# Altium PCB FluidGuard(RX).PcbDoc (part 1 of 3)
Units mm, origin at the board's own origin, x right, y up, seen from the top; angles counter-clockwise.
Board outline 125 x 150 mm, 4 copper layers (Top Layer, Mid Layer 1(GND), Mid Layer 2(GND), Bottom Layer), stack 1.586 mm thick; 143 components, 112 nets, 606 pads, 682 vias.
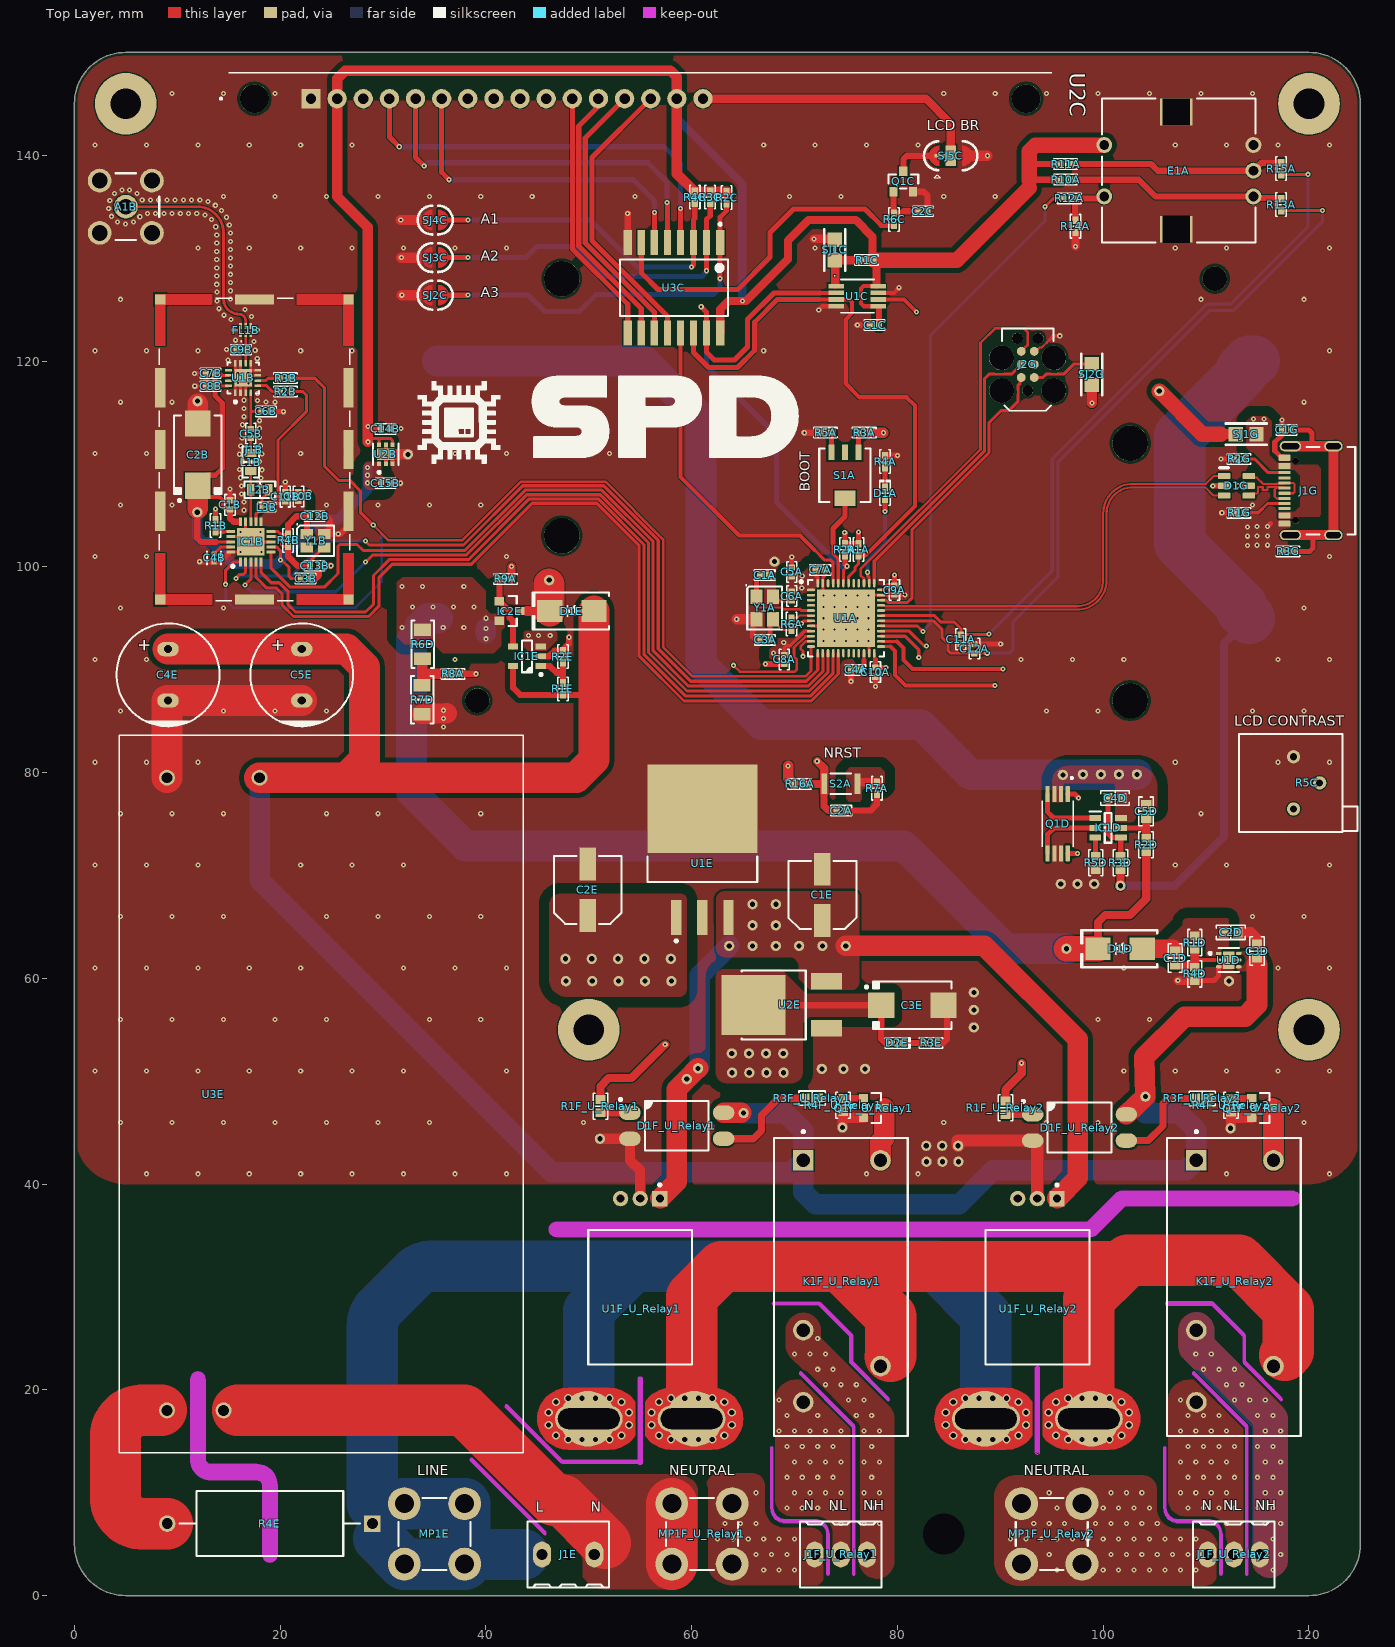
[diagram p0: Top Layer view]
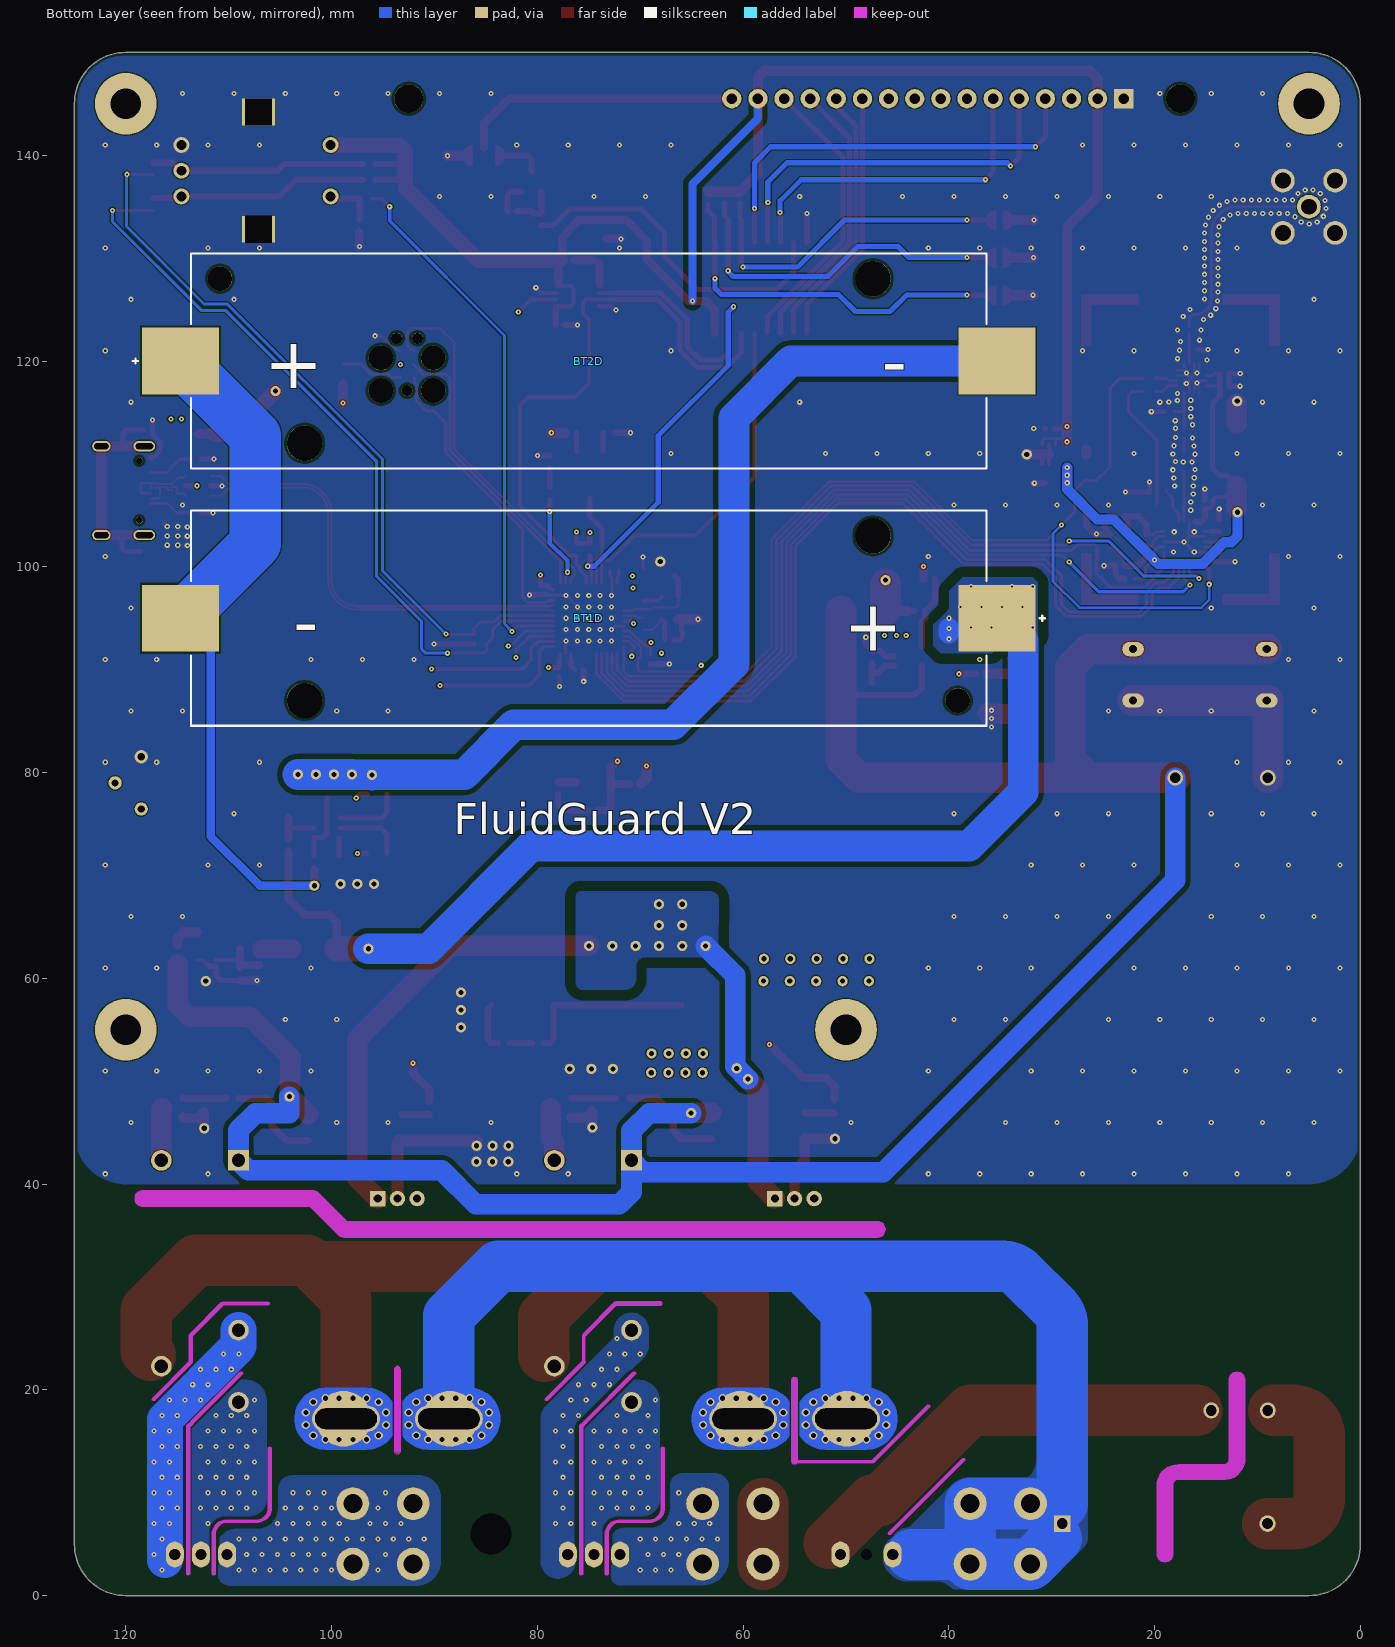
[diagram p1: Bottom Layer view, seen from below]
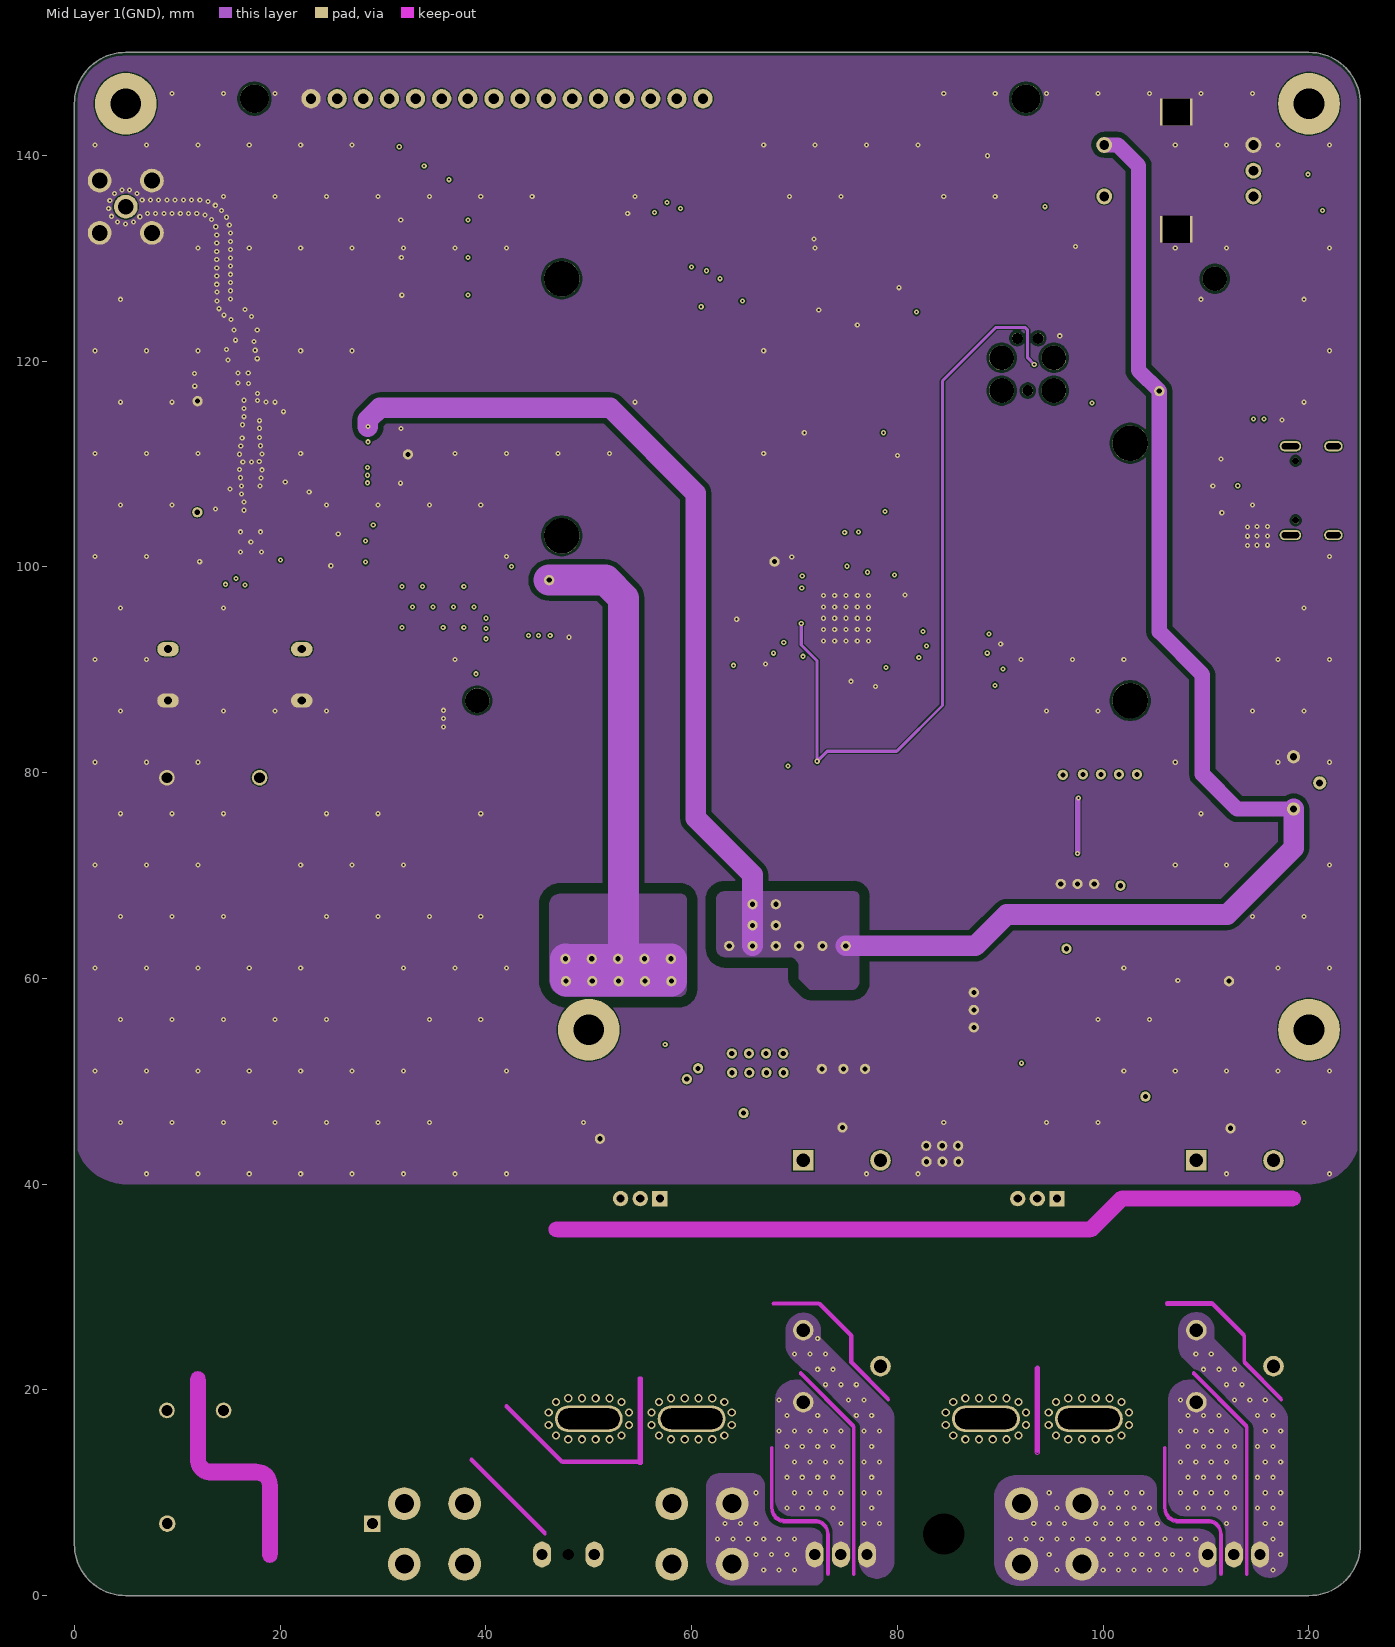
[diagram p2: Mid Layer 1(GND)]
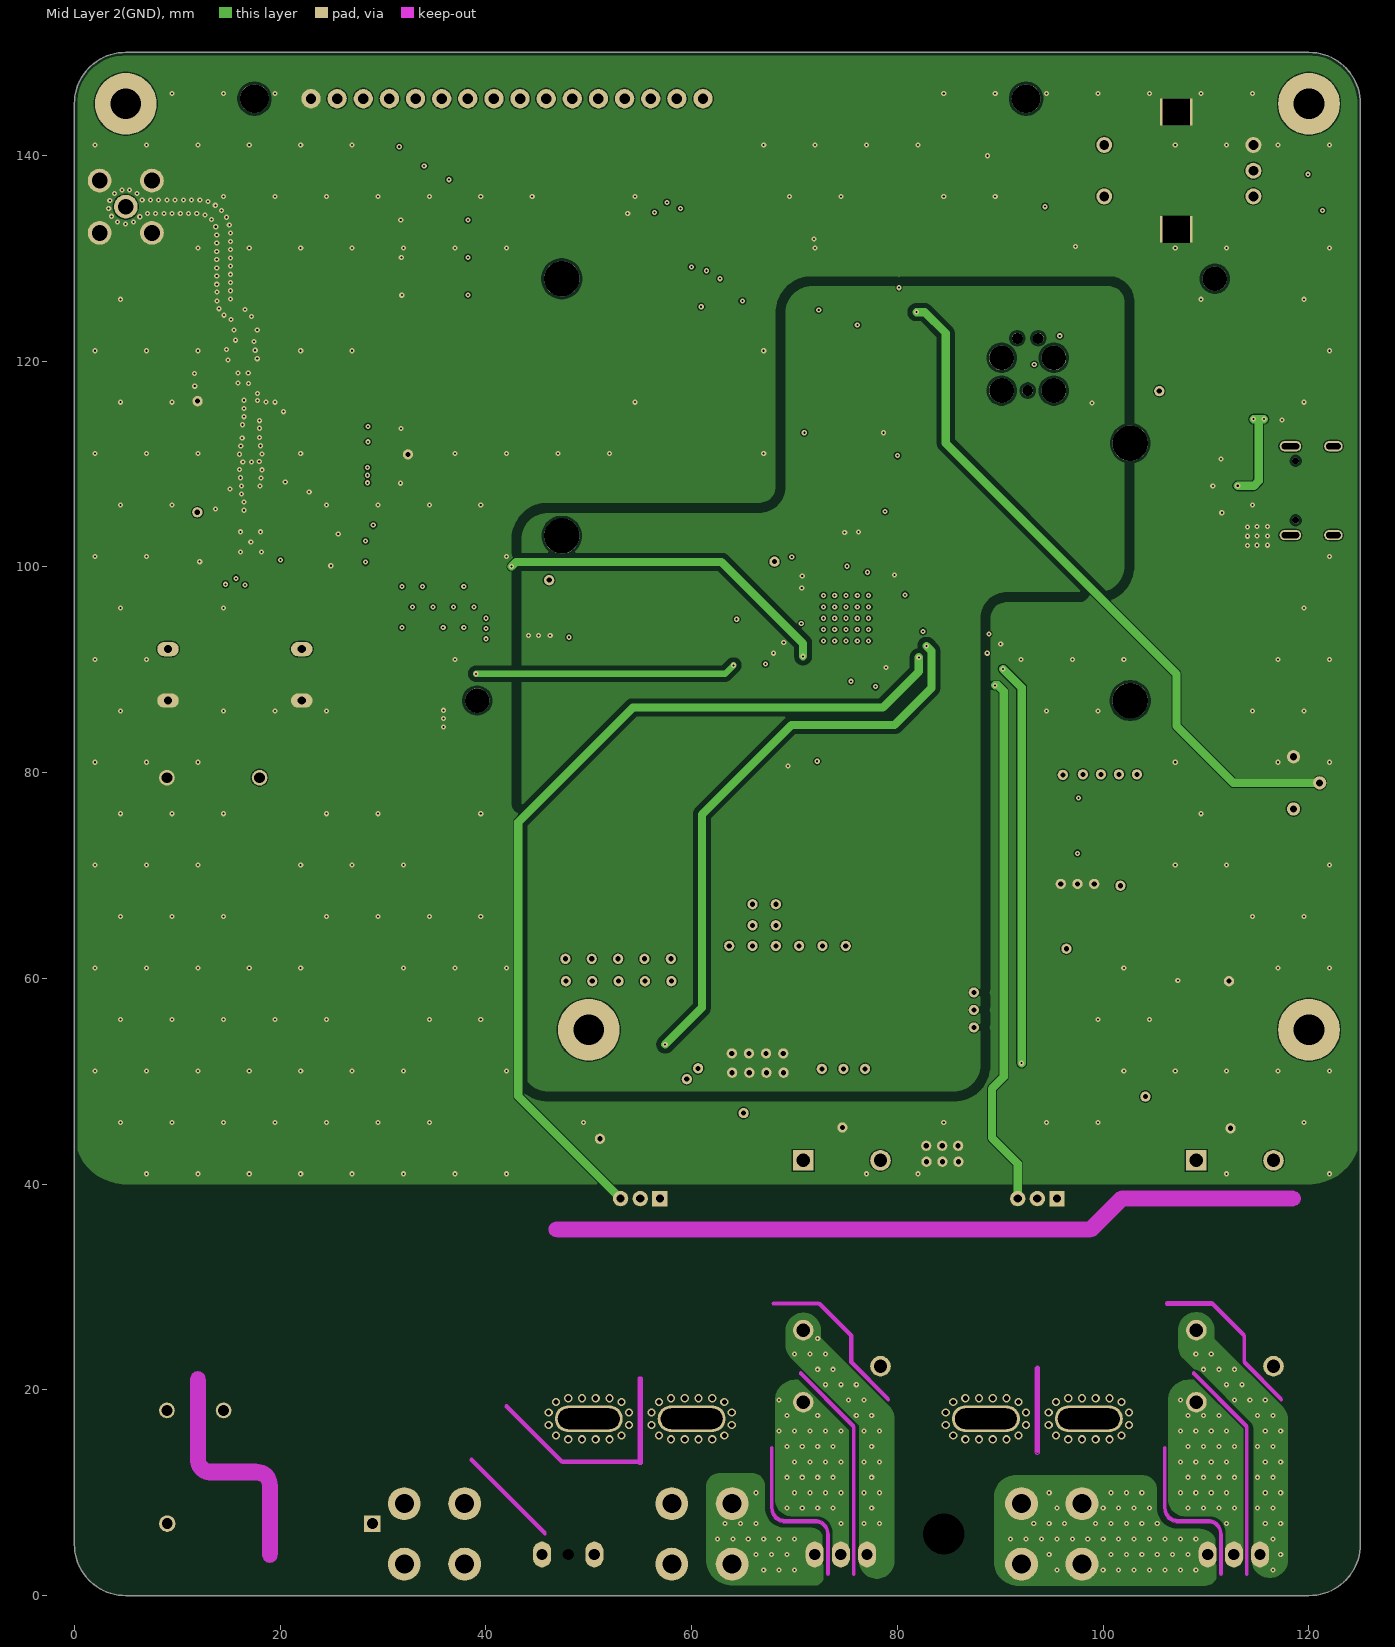
[diagram p3: Mid Layer 2(GND)]
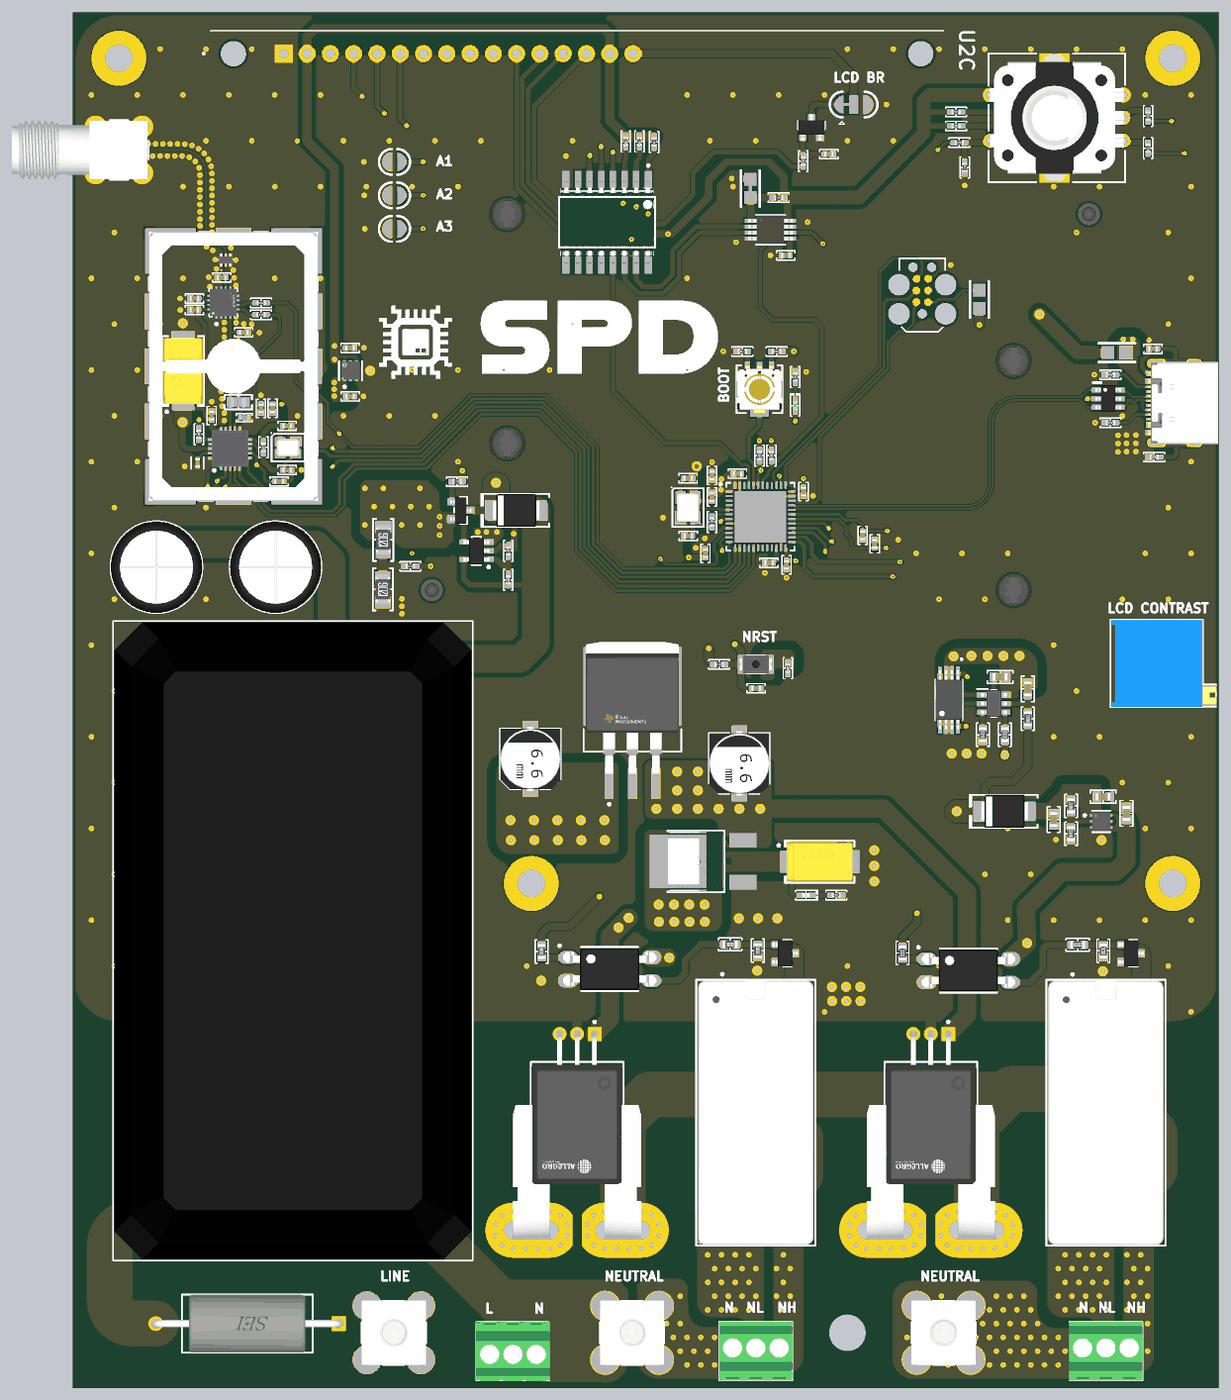
[diagram p6: 3D render of the assembled board from above, using the file's embedded part models]

## Layer stack, top to bottom
Top Solder: solder mask 0.0127, Solder Resist, Dk 3.8
Top Layer: signal copper 0.035
Dielectric 1: prepreg 0.2104, PP-023, Dk 4.4
Mid Layer 1(GND): signal copper 0.0152
Core: core 1.065, FR-4, Dk 4.6
Mid Layer 2(GND): signal copper 0.0152
Dielectric 2: prepreg 0.2104, PP-023, Dk 4.4
Bottom Layer: signal copper 0.035
Bottom Solder: solder mask 0.0127, Solder Resist, Dk 3.8

## Board outline
0,5 0,145 cw(c5,145) 5,150 120,150 cw(c120,145) 125,145 125,5 cw(c120,5) 120,0 5,0 cw(c5,5)
cut-out: 105.85,8.51 ccw(c107.27,8.51) 107.27,7.089 110.18,7.089 cw(c110.18,5.97) 111.3,5.97 111.3,2.15 ccw(c111.45,2.15) 111.6,2.15 111.6,5.97 ccw(c110.18,5.97) 110.18,7.39 107.27,7.39 cw(c107.27,8.51) 106.15,8.51 106.15,14.3 ccw(c106,14.3) 105.85,14.3
cut-out: 67.65,8.51 ccw(c69.07,8.51) 69.07,7.089 71.98,7.089 cw(c71.98,5.97) 73.1,5.97 73.1,2.15 ccw(c73.25,2.15) 73.4,2.15 73.4,5.97 ccw(c71.98,5.97) 71.98,7.39 69.07,7.39 cw(c69.07,8.51) 67.95,8.51 67.95,14.3 ccw(c67.8,14.3) 67.65,14.3
cut-out: 41.894,18.294 47.294,12.894 47.4,12.85 55,12.85 ccw(c55,13) 55.15,13 ccw(c55,13) 55,13.15 47.462,13.15 42.106,18.506 ccw(c42,18.4)
cut-out: 38.494,13.094 45.629,5.958 ccw(c45.736,6.064) 45.886,6.064 45.842,6.171 38.706,13.306 ccw(c38.6,13.2)
cut-out: 108.694,21.494 113.437,16.746 113.461,16.727 113.8,16.388 113.8,2.15 ccw(c113.95,2.15) 114.1,2.15 114.1,16.45 114.056,16.556 113.654,16.958 113.631,16.978 108.906,21.706 ccw(c108.8,21.6)
cut-out: 110.538,28.239 113.55,25.227 113.55,22.7 113.594,22.593 117.194,18.994 ccw(c117.3,19.1) 117.45,19.1 117.406,19.206 113.85,22.762 113.85,25.29 113.806,25.396 110.706,28.496 110.6,28.54 106.2,28.54 ccw(c106.2,28.39) 106.2,28.239
cut-out: 75.6,2.15 ccw(c75.75,2.15) 75.9,2.15 75.9,6.99 ccw(c75.75,6.99) 75.6,6.99
cut-out: 75.242,16.746 75.6,16.388 75.6,6.99 ccw(c75.75,6.99) 75.9,6.99 75.9,16.45 75.856,16.556 75.454,16.958 ccw(c75.348,16.852)
cut-out: 75.394,22.594 78.994,18.994 ccw(c79.1,19.1) 79.25,19.1 79.206,19.206 75.606,22.806 ccw(c75.5,22.7)
cut-out: 70.494,21.494 75.237,16.746 ccw(c75.344,16.852) 75.494,16.852 75.45,16.958 70.706,21.706 ccw(c70.6,21.6)
cut-out: 68,28.239 cw(c68,28.39) 68,28.54 72.4,28.54 72.506,28.496 75.606,25.396 75.65,25.29 75.65,22.74 cw(c75.5,22.74) 75.35,22.74 75.35,25.227 72.338,28.239
cut-out: 46.9,34.85 cw(c46.9,35.6) 46.9,36.35 98.489,36.35 101.27,39.131 101.269,39.131 cw(c101.8,38.6) 101.8,39.35 118.4,39.35 cw(c118.4,38.6) 119.15,38.6 cw(c118.4,38.6) 118.4,37.85 102.111,37.85 99.33,35.069 99.331,35.069 cw(c98.8,35.6) 98.8,34.85
cut-out: 93.35,14 ccw(c93.6,14) 93.85,14 93.85,22 ccw(c93.6,22) 93.35,22
cut-out: 54.75,13 ccw(c55,13) 55.251,13 55.251,21 ccw(c55,21) 54.75,21
cut-out: 11.25,13.27 ccw(c13.27,13.27) 13.27,11.25 17.73,11.25 cw(c17.73,10.73) 18.25,10.73 18.25,4 ccw(c19,4) 19.75,4 19.75,10.73 ccw(c17.73,10.73) 17.73,12.75 13.27,12.75 cw(c13.27,13.27) 12.75,13.27 12.75,21 ccw(c12,21) 11.25,21

## Design rules (kind name [scope] priority, off if disabled: settings)
BoardOutlineClearance AC [InNetClass('AC')] p1: gap=0.1 ignorepadtopadclearanceinfootprint=FALSE
BoardOutlineClearance "TOP OVERLAY" [OnLayer('Top Overlay')] p2: gap=0 ignorepadtopadclearanceinfootprint=FALSE
BoardOutlineClearance [All] p3: gap=0.3 ignorepadtopadclearanceinfootprint=FALSE
Clearance IMP [InNetClass('IMP') vs InNetClass('IMP-G')] p1: gap=0.102 ignorepadtopadclearanceinfootprint=TRUE except(0.127: Arc-Via Track-Poly SMDPad-SMDPad SMDPad-THPad SMDPad-Via THPad-Via Via-Fill Via-Poly Via-Region Via-Text; 0.2: Track-SMDPad Track-THPad; 0.254: Arc-Hole Track-Via Track-Hole SMDPad-Hole THPad-THPad Via-Via Via-Hole Fill-Hole Poly-Hole Region-Hole Text-Hole; 0.5: THPad-Hole; 1: Poly-Poly)
Clearance PWR-TOP [InNet('+12V') vs OnLayer('Top Layer')] p2: gap=0.102 ignorepadtopadclearanceinfootprint=TRUE except(0.127: Arc-Via SMDPad-SMDPad SMDPad-THPad SMDPad-Via THPad-Via Via-Fill Via-Poly Via-Region Via-Text; 0.2: Track-SMDPad Track-THPad; 0.254: Arc-Hole Track-Via Track-Hole SMDPad-Hole THPad-THPad Via-Via Via-Hole Fill-Hole Poly-Poly Poly-Hole Region-Hole Text-Hole; 0.5: Track-Poly THPad-Hole)
Clearance PWR-TOP_1 [InNet('+5V') vs OnLayer('Top Layer')] p3: gap=0.102 ignorepadtopadclearanceinfootprint=TRUE except(0.127: Arc-Via SMDPad-SMDPad SMDPad-THPad SMDPad-Via THPad-Via Via-Fill Via-Poly Via-Region Via-Text; 0.2: Track-SMDPad Track-THPad; 0.254: Arc-Hole Track-Via Track-Hole SMDPad-Hole THPad-THPad Via-Via Via-Hole Fill-Hole Poly-Poly Poly-Hole Region-Hole Text-Hole; 0.5: Track-Poly THPad-Hole)
Clearance PWR-MID1 [OnLayer('Mid Layer 1(GND)') vs InNetClass('PWR')] p4: gap=0.102 ignorepadtopadclearanceinfootprint=TRUE except(0.127: Arc-Via SMDPad-SMDPad SMDPad-THPad SMDPad-Via THPad-Via Via-Fill Via-Poly Via-Region Via-Text; 0.2: Track-SMDPad Track-THPad; 0.254: Arc-Hole Track-Via Track-Hole SMDPad-Hole THPad-THPad Via-Via Via-Hole Fill-Hole Poly-Hole Region-Hole Text-Hole; 0.5: Track-Poly THPad-Hole; 1: Poly-Poly)
Clearance PWR-MID2 [OnLayer('Mid Layer 2(GND)') vs InNetClass('PWR')] p5: gap=0.102 ignorepadtopadclearanceinfootprint=TRUE except(0.127: Arc-Via SMDPad-SMDPad SMDPad-THPad SMDPad-Via THPad-Via Via-Fill Via-Poly Via-Region Via-Text; 0.2: Track-SMDPad Track-THPad; 0.254: Arc-Hole Track-Via Track-Hole SMDPad-Hole THPad-THPad Via-Via Via-Hole Fill-Hole Poly-Hole Region-Hole Text-Hole; 0.5: Track-Poly THPad-Hole; 1: Poly-Poly)
Clearance PWR-BOT [OnLayer('Bottom Layer') vs InNetClass('PWR')] p6: gap=0.102 ignorepadtopadclearanceinfootprint=TRUE except(0.127: Arc-Via SMDPad-SMDPad SMDPad-THPad SMDPad-Via THPad-Via Via-Fill Via-Poly Via-Region Via-Text; 0.2: Track-SMDPad Track-THPad; 0.254: Arc-Hole Track-Via Track-Hole SMDPad-Hole THPad-THPad Via-Via Via-Hole Fill-Hole Poly-Hole Region-Hole Text-Hole; 0.5: Track-Poly THPad-Hole; 1: Poly-Poly)
Clearance "Stitching BAT" [IsStitchingVia and InNet('BAT') vs (IsVia and (Not IsStitchingVia)) Or IsPad] p7: gap=0 ignorepadtopadclearanceinfootprint=TRUE except(0.127: Via-Via)
Clearance VBUS [InNamedPolygon('VBUS_L01_')] p8: gap=0 ignorepadtopadclearanceinfootprint=TRUE
Clearance RELAY [InNamedPolygon('NL_U_RELAY1_L01_P001')] p9: gap=0 ignorepadtopadclearanceinfootprint=TRUE
Clearance [All] p10: gap=0.102 ignorepadtopadclearanceinfootprint=TRUE except(0.127: Arc-Via SMDPad-SMDPad SMDPad-THPad SMDPad-Via THPad-Via Via-Fill Via-Poly Via-Region Via-Text; 0.2: Track-SMDPad Track-THPad SMDPad-Poly; 0.254: Arc-Hole Track-Via Track-Hole SMDPad-Hole THPad-THPad Via-Via Via-Hole Fill-Hole Poly-Hole Region-Hole Text-Hole; 0.4: THPad-Hole; 1: Poly-Poly)
ComponentClearance [All] p1: gap=0.102 collisioncheckmode=3 verticalgap=0.102 showdistances=TRUE
DiffPairsRouting [All] p1: maxlimit=0.127 minlimit=0.127 mostfreqgap=0.127 toplayer_minwidth=0.202 toplayer_maxwidth=0.202 toplayer_prefwidth=0.202 midlayer1_minwidth=0.13 midlayer1_maxwidth=0.13 midlayer1_prefwidth=0.13 midlayer2_minwidth=0.13 midlayer2_maxwidth=0.13 midlayer2_prefwidth=0.13 bottomlayer_minwidth=0.202 bottomlayer_maxwidth=0.202 bottomlayer_prefwidth=0.202 impedanceprofiledriven=TRUE impedanceprofileid={39AADE4C-73F8-4368-9D3E-9A2C22962942} impedanceprofilevalue=90.000000 maxuncoupledlength=12.7
Height [All] p1: minheight=0 maxheight=1816.048 prefheight=12.7
HoleSize [All] p1: absolutevalues=TRUE maxlimit=6.3 minlimit=0.2 maxpercent=80.000 minpercent=20.000
HoleSize PadHoleSize [IsPad] p2: absolutevalues=TRUE maxlimit=6.3 minlimit=0.5 maxpercent=80.000 minpercent=20.000
HoleSize ViaHoleSize [IsVia] p3: absolutevalues=TRUE maxlimit=6.3 minlimit=0.2 maxpercent=80.000 minpercent=20.000
HoleToHoleClearance [All] p1: gap=0.254 allowstackedmicrovias=FALSE
MatchedLengths USB-MCU [InDifferentialPairClass('USB-MCU')] p1: tolerance=25.4 checknetsindiffpair=TRUE checkdiffpairvsdiffpair=FALSE checkxsignals=FALSE checkothers=FALSE usedelayunits=TRUE delaytolerance=1.000000
MatchedLengths USB-CON [InDifferentialPairClass('USB-C')] p2: tolerance=25.4 checknetsindiffpair=TRUE checkdiffpairvsdiffpair=FALSE checkxsignals=FALSE checkothers=FALSE usedelayunits=TRUE delaytolerance=1.000000
MinimumAnnularRing [All] p1: minimumring=0.15
MinimumSolderMaskSliver [All] p1: minsoldermaskwidth=0.07
PlaneClearance [All] p1: clearance=0.102
PlaneConnect PlaneConnectPowerPads [InPadClass('PowerPads')] p1: planeconnectstyle=Direct reliefexpansion=0.508 reliefentries=4 reliefconductorwidth=0.254 reliefairgap=0.254
PlaneConnect [All] p2: pad.planeconnectstyle=Relief pad.reliefexpansion=0.3 pad.reliefentries=4 pad.reliefconductorwidth=0.102 pad.reliefairgap=0.102 via.planeconnectstyle=Direct via.reliefexpansion=0.3 via.reliefentries=4 via.reliefconductorwidth=0.102 via.reliefairgap=0.102
PolygonConnect PolygonConnect_1 [All vs IsNamedPolygon('VBUS_L01_P037')] p1: connectstyle=Direct reliefconductorwidth=0.254 reliefentries=4 polygonreliefangle="90 Angle" airgapwidth=0.254
PolygonConnect PolygonConnectPowerPads [All vs (InPadClass('PowerPads'))] p2: connectstyle=Direct reliefconductorwidth=0.254 reliefentries=4 polygonreliefangle="90 Angle" airgapwidth=0.254
PolygonConnect [All] p3: connectstyle=Direct reliefconductorwidth=0.102 reliefentries=4 polygonreliefangle="45 Angle" airgapwidth=0.102
RoutingVias [All] p1: holewidth=0.2 width=0.5 viastyle="Through Hole" minholewidth=0.2 minwidth=0.5 maxholewidth=6.3 maxwidth=6.6
ShortCircuit SHC [InPadClass('SHC') vs OnLayer('Top Layer')] p1: allowed=TRUE
ShortCircuit Jumper [InPadClass('Jumper') vs InPadClass('Jumper')] p2: allowed=TRUE
ShortCircuit [All] p3: allowed=FALSE
SilkToSilkClearance [All] p1: silktosilkclearance=0.127
SilkToSolderMaskClearance [IsPad] p1: minsilkscreentomaskgap=0.1 clearancetoexposedcopper=TRUE
SolderMaskExpansion [All] p1: expansion=0.051 istentingtop=FALSE
SupplyNets "Schematic Supply Nets_10" [InNet('GNDS')] p1: voltage=0.000
SupplyNets "Schematic Supply Nets_9" [InNet('NEUTRAL')] p2: voltage=0.000
SupplyNets "Schematic Supply Nets_8" [InNet('BAT')] p3: voltage=0.000
SupplyNets "Schematic Supply Nets_7" [InNet('RF_VDD')] p4: voltage=0.000
SupplyNets "Schematic Supply Nets_6" [InNet('HOT')] p5: voltage=0.000
SupplyNets "Schematic Supply Nets_5" [InNet('GND')] p6: voltage=0.000
SupplyNets "Schematic Supply Nets_4" [InNet('VBUS')] p7: voltage=0.000
SupplyNets "Schematic Supply Nets_3" [InNet('LINE')] p8: voltage=0.000
SupplyNets "Schematic Supply Nets_2" [InNet('+5V')] p9: voltage=0.000
SupplyNets "Schematic Supply Nets_1" [InNet('+3V3')] p10: voltage=0.000
SupplyNets "Schematic Supply Nets" [InNet('+12V')] p11: voltage=0.000
UnRoutedNet [All] p1: checkbadconnections=TRUE
Width NRF [InNetClass('ANT')] p1: maxlimit=0.26 minlimit=0.181 preferedwidth=0.26 toplayer_minwidth=0.26 midlayer1_maxwidth=0.181 midlayer1_prefwidth=0.181 midlayer2_maxwidth=0.181 midlayer2_prefwidth=0.181 bottomlayer_minwidth=0.26 impedanceprofiledriven=TRUE impedanceprofileid={923C02B6-D3C5-4605-A20E-6BF0858BA745} impedanceprofilevalue=50.000000 minimp=50.000000 maximp=50.000000 favimp=50.000000